# Altium PCB TempdevAmmy.PcbDoc (part 2 of 4)
Units mm, origin at the board's own origin, x right, y up, seen from the top; angles counter-clockwise.
Board outline 80.01 x 100.08 mm, 2 copper layers (Top Layer, Bottom Layer); 936 components, 613 nets, 2932 pads, 106 vias.
Unrouted connection lines stored in the file: 2115.
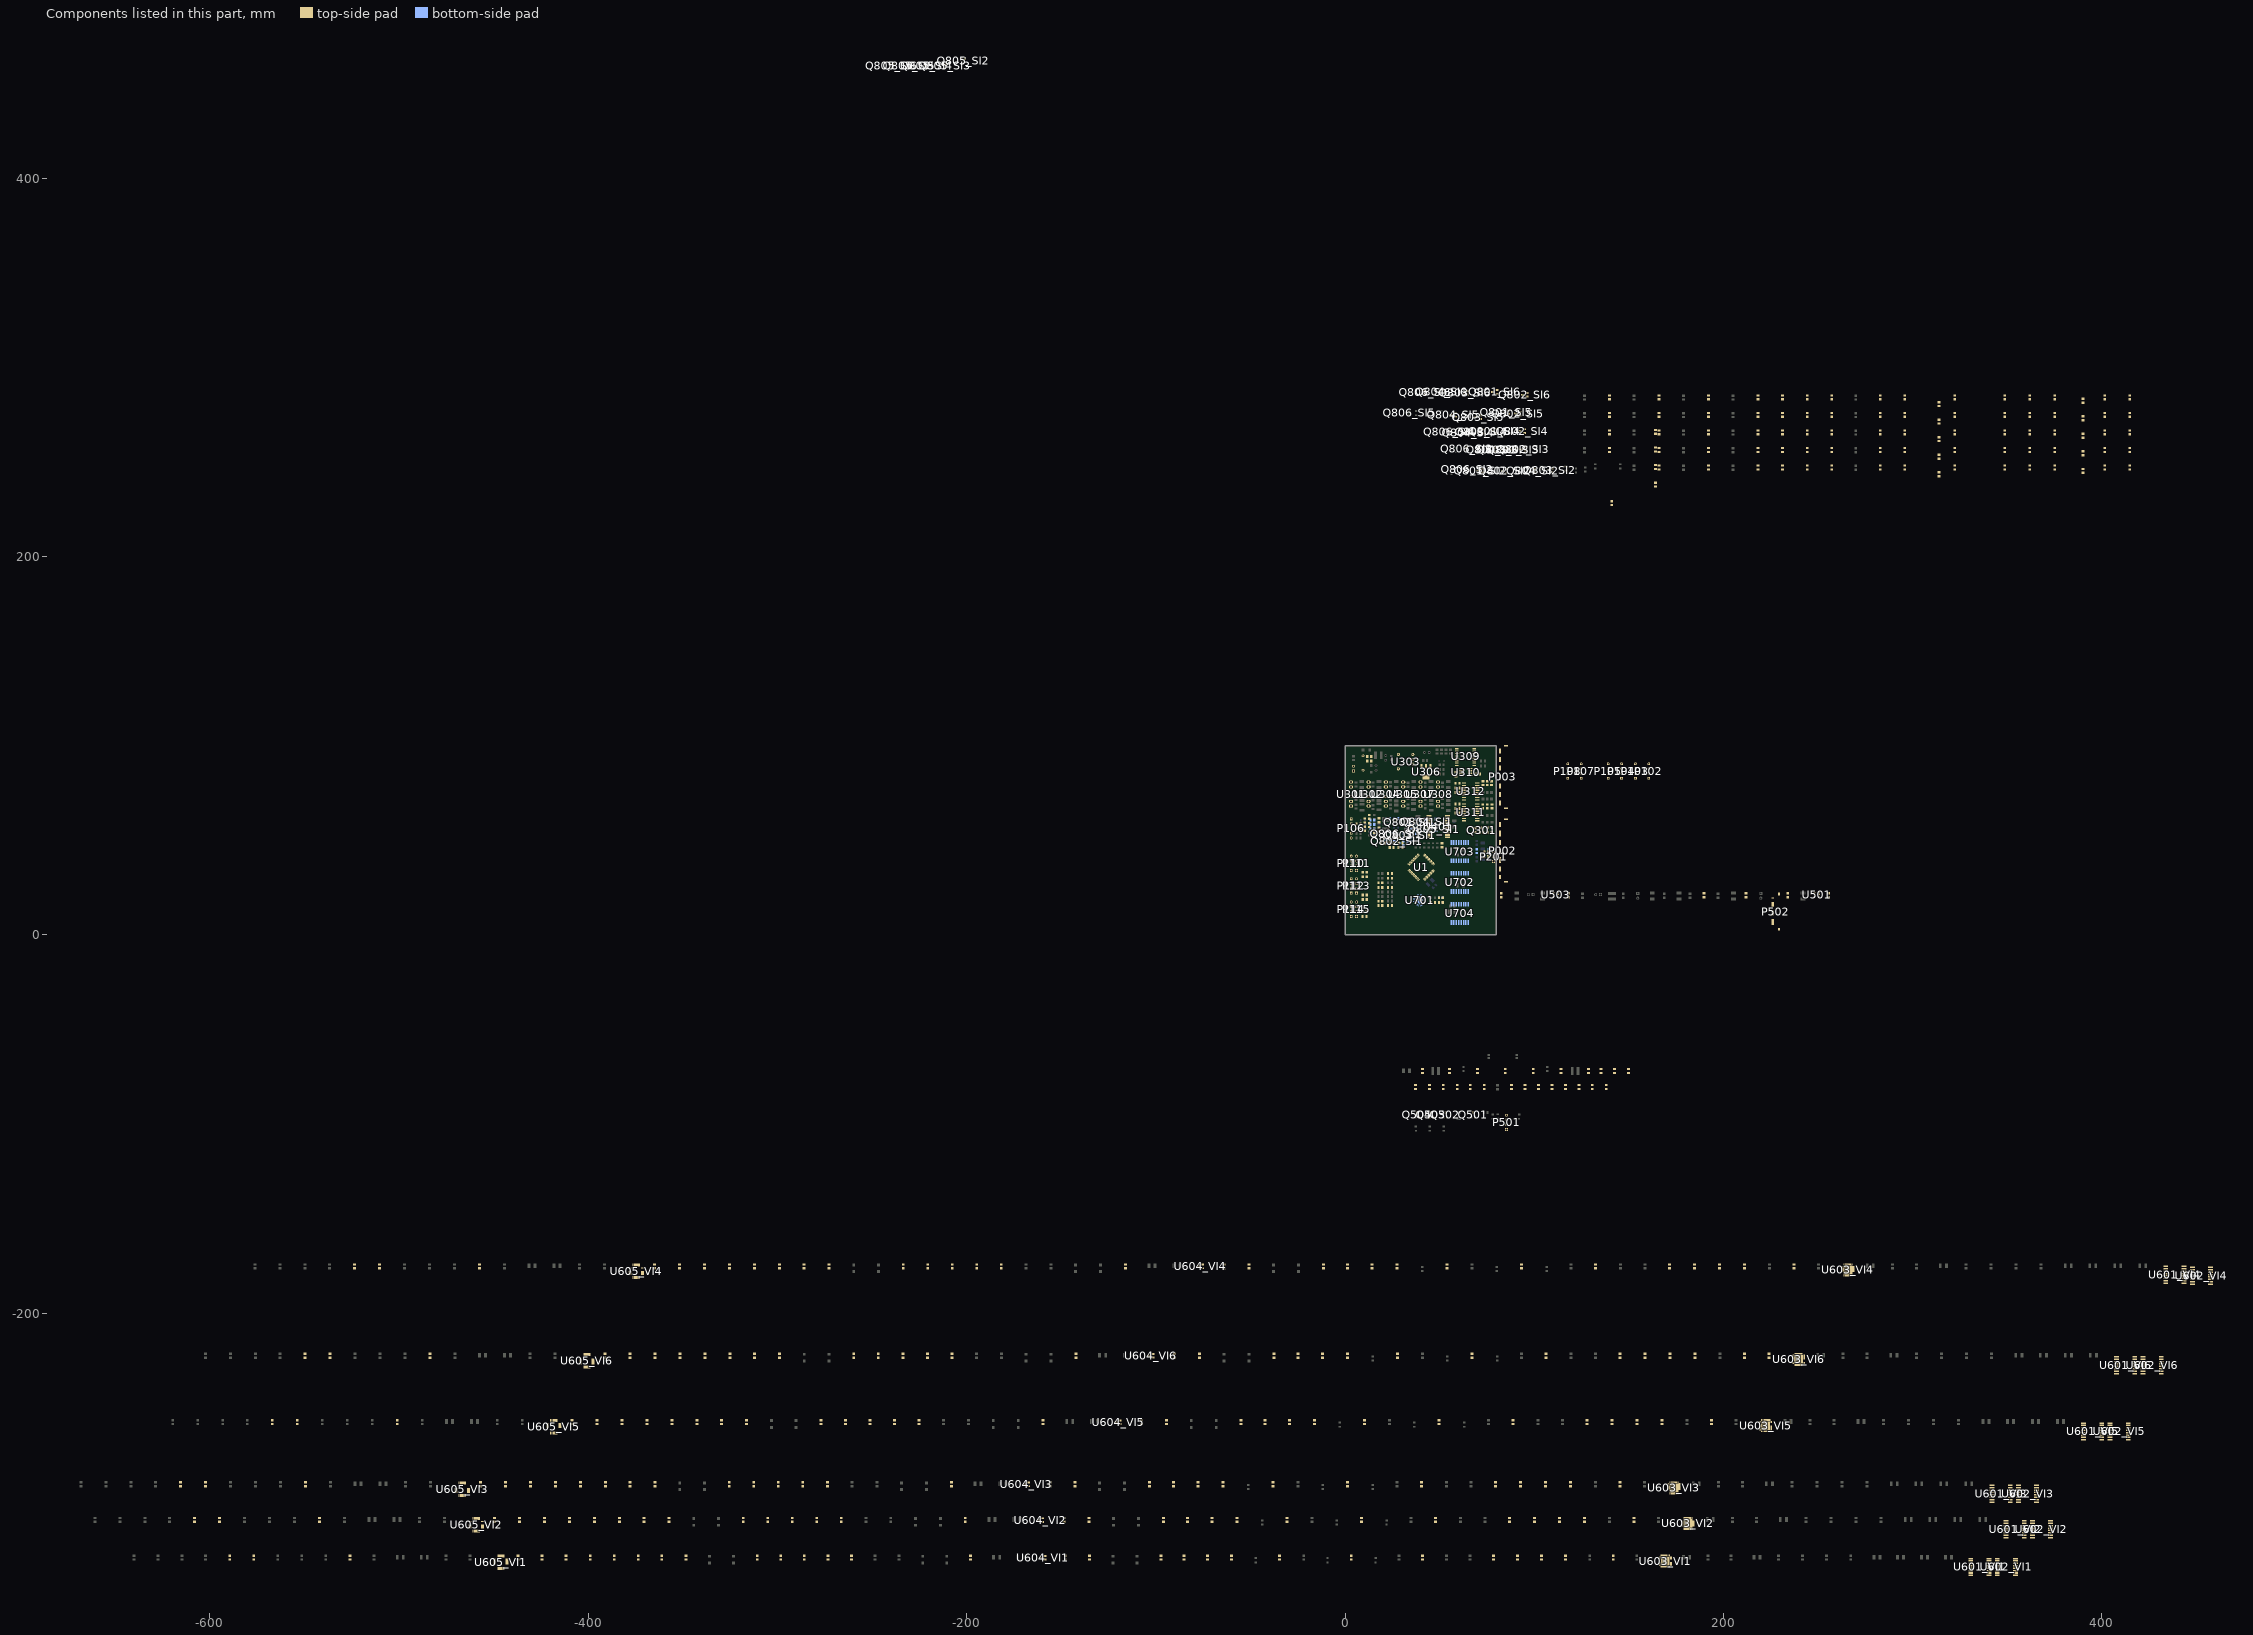
[diagram p2: the components of this part, seen from the top]

## Components (designator, comment, footprint, x,y, rotation, side; value= is the part's Value field where it differs from the comment) (continued)
L601_VI6 "VLS4012HBX-150M" 0805R#1 224.028,-223.393 r90 top value=47uH (schematic designator L601)
L602_VI1 "VLS4012HBX-150M" 0805R#1 91.186,-330.073 r90 top value=47uH (schematic designator L602)
L602_VI2 "VLS4012HBX-150M" 0805R#1 100.076,-310.134 r90 top value=47uH (schematic designator L602)
L602_VI3 "VLS4012HBX-150M" 0805R#1 92.685,-291.338 r90 top value=47uH (schematic designator L602)
L602_VI4 "VLS4012HBX-150M" 0805R#1 184.633,-176.149 r90 top value=47uH (schematic designator L602)
L602_VI5 "VLS4012HBX-150M" 0805R#1 141.097,-258.445 r90 top value=47uH (schematic designator L602)
L602_VI6 "VLS4012HBX-150M" 0805R#1 158.496,-223.393 r90 top value=47uH (schematic designator L602)
L603_VI1 "VLS4012HBX-150M" 0805R#1 -147.828,-330.073 r90 top value=47uH (schematic designator L603)
L603_VI2 "VLS4012HBX-150M" 0805R#1 -148.59,-310.134 r90 top value=47uH (schematic designator L603)
L603_VI3 "VLS4012HBX-150M" 0805R#1 -155.981,-291.338 r90 top value=47uH (schematic designator L603)
L603_VI4 "VLS4012HBX-150M" 0805R#1 -64.033,-176.149 r90 top value=47uH (schematic designator L603)
L603_VI5 "VLS4012HBX-150M" 0805R#1 -107.569,-258.445 r90 top value=47uH (schematic designator L603)
L603_VI6 "VLS4012HBX-150M" 0805R#1 -90.17,-223.393 r90 top value=47uH (schematic designator L603)
L701 "VLS4012HBX-150M" 0805r#2 69.596,44.323 r270 bottom value=47uH
L702 "VLS4012HBX-150M" 0805r#2 75.946,44.196 r270 bottom value=47uH
MOV401 "" 0805r#2 7.112,58.547 r180 top
MOV402 "" 0805r#2 7.112,56.134 r180 top
NTC701 "NTCS0805E3103JHT" 0805r#2 23.765,25.146 r180 top
P002 "FPC60" FPC60 81.788,29.845 r90 top
P003 "FPC60" FPC60 81.788,68.707 r90 top
P101 "Header 2" HDR1X2 4.445,86.614 r90 top
P102 "Header 4" HDR1X4 160.528,82.804 r90 top
P103 "Header 4" HDR1X4 153.416,82.804 r90 top
P104 "Header 4" HDR1X4 146.177,82.804 r90 top
P105 "Header 4" HDR1X4 139.065,82.804 r90 top
P106 "Header 5" HDR1X5 3.302,61.341 r270 top
P107 "Header 4" HDR1X4 124.841,82.804 r90 top
P108 "Header 4" HDR1X4 117.729,82.804 r90 top
P110 "Header 4" HDR1X4 3.302,34.036 r90 top
P111 "Header 4" HDR1X4 6.096,34.036 r90 top
P112 "Header 4" HDR1X4 3.302,22.098 r90 top
P113 "Header 4" HDR1X4 6.096,22.098 r90 top
P114 "Header 4" HDR1X4 3.302,9.779 r90 top
P115 "Header 4" HDR1X4 6.096,9.779 r90 top
P201 "Header 3" HDR1X3 78.486,38.862 r90 top
P501 "Header 4" HDR1X4 85.344,-102.87 r90 top
P502 "FPC30PIN" FPC30 226.187,5.08 r90 top
PTC401 "NTCS0805E3103JHT" 0805r#2 10.414,60.452 r90 top
PTC402 "NTCS0805E3103JHT" 0805r#2 10.414,56.134 r270 top
Q301 "MMSS8050" SOT-23(SS8050) 71.252,54.229 r0 top
Q501 "MMSS8050" SOT-23 66.802,-96.266 r0 top
Q502 "MMSS8050" SOT-23 52.07,-96.266 r0 top
Q503 "MMSS8050" SOT-23 44.704,-96.266 r0 top
Q504 "MMSS8050" SOT-23 37.338,-96.266 r0 top
Q801_SI1 "MMSS8550" SOT-23 35.052,58.293 r180 bottom (schematic designator Q801)
Q801_SI2 "MMSS8550" SOT-23 72.517,244.48 r90 top (schematic designator Q801)
Q801_SI3 "MMSS8550" SOT-23 90.043,255.524 r90 top (schematic designator Q801)
Q801_SI4 "MMSS8550" SOT-23 80.264,265.303 r90 top (schematic designator Q801)
Q801_SI5 "MMSS8550" SOT-23 86.36,275.209 r90 top (schematic designator Q801)
Q801_SI6 "MMSS8550" SOT-23 80.391,286.004 r90 top (schematic designator Q801)
Q802_SI1 "MMSS8550" SOT-23 28.575,50.546 r270 bottom (schematic designator Q802)
Q802_SI2 "MMSS8550" SOT-23 85.471,244.221 r90 top (schematic designator Q802)
Q802_SI3 "MMSS8550" SOT-23 95.377,255.651 r90 top (schematic designator Q802)
Q802_SI4 "MMSS8550" SOT-23 94.742,265.303 r90 top (schematic designator Q802)
Q802_SI5 "MMSS8550" SOT-23 92.456,274.574 r90 top (schematic designator Q802)
Q802_SI6 "MMSS8550" SOT-23 96.139,284.48 r90 top (schematic designator Q802)
Q803_SI1 "MMSS8050" SOT-23 35.052,51.562 r180 bottom (schematic designator Q803)
Q803_SI2 "MMSS8050" SOT-23 109.474,244.602 r90 top (schematic designator Q803)
Q803_SI3 "MMSS8050" SOT-23 84.709,255.524 r90 top (schematic designator Q803)
Q803_SI4 "MMSS8050" SOT-23 73.152,265.049 r90 top (schematic designator Q803)
Q803_SI5 "MMSS8050" SOT-23 71.628,272.674 r90 top (schematic designator Q803)
Q803_SI6 "MMSS8050" SOT-23 64.77,285.501 r90 top (schematic designator Q803)
Q804_SI1 "MMSS8550" SOT-23 42.291,60.96 r0 bottom (schematic designator Q804)
Q804_SI2 "MMSS8550" SOT-23 100.457,244.348 r90 top (schematic designator Q804)
Q804_SI3 "MMSS8550" SOT-23 78.867,255.402 r90 top (schematic designator Q804)
Q804_SI4 "MMSS8550" SOT-23 66.167,264.419 r90 top (schematic designator Q804)
Q804_SI5 "MMSS8550" SOT-23 58.42,273.817 r90 top (schematic designator Q804)
Q804_SI6 "MMSS8550" SOT-23 52.324,286.136 r90 top (schematic designator Q804)
Q805_SI1 "BSS138" SOT-23(SS8050) 48.006,56.769 r270 bottom (schematic designator Q805)
Q805_SI2 "BSS138" SOT-23(SS8050) -200.787,463.169 r180 top (schematic designator Q805)
Q805_SI3 "BSS138" SOT-23(SS8050) -210.693,460.375 r180 top (schematic designator Q805)
Q805_SI4 "BSS138" SOT-23(SS8050) -219.964,460.375 r180 top (schematic designator Q805)
Q805_SI5 "BSS138" SOT-23(SS8050) -229.235,460.375 r180 top (schematic designator Q805)
Q805_SI6 "BSS138" SOT-23(SS8050) -238.506,460.375 r180 top (schematic designator Q805)
Q806_SI1 "Si1024X" SOT563 27.813,54.102 r180 bottom (schematic designator Q806)
Q806_SI2 "Si1024X" SOT563 64.008,245.364 r90 top (schematic designator Q806)
Q806_SI3 "Si1024X" SOT563 63.889,256.07 r90 top (schematic designator Q806)
Q806_SI4 "Si1024X" SOT563 54.864,265.087 r90 top (schematic designator Q806)
Q806_SI5 "Si1024X" SOT563 33.401,275.171 r90 top (schematic designator Q806)
Q806_SI6 "Si1024X" SOT563 41.783,286.131 r90 top (schematic designator Q806)
R201 "RC0805JR-000KL" 0805R#2 50.673,19.685 r180 top value=0R
R202 "RC0805JR-07120RL" 0805R#2 50.689,17.145 r180 top value=120
R203 "RC0805JR-0710KL" 0805R#2 46.482,17.145 r180 top value=10K
R204 "RC0805JR-0720RL" 0805R#2 74.676,43.942 r180 top value=20
R205 "RC0805JR-0720RL" 0805R#2 74.676,41.402 r180 top value=20
R206 "RC0805JR-0710KL" 0805R#2 29.321,51.054 r0 top value=10K
R207 "RC0805JR-0710KL" 0805R#2 24.638,46.228 r180 top value=10K
R208 "RC0805JR-0710KL" 0805R#2 24.654,48.641 r180 top value=10K
R209 "RC0805JR-0710KL" 0805R#2 29.321,46.228 r0 top value=NC
R210 "RC0805JR-0710KL" 0805R#2 29.321,48.641 r0 top value=NC
R211 "RC0805JR-0710KL" 0805R#2 24.638,51.054 r180 top value=NC
R212 "RC0805JR-000KL" 0805R#2 20.05,48.641 r0 top value=0R
R213 "RC0805JR-0710KL" 0805R#2 51.181,47.387 r270 top value=10K
R301 "PNP-200KJBJ26-10R" 0805R#1 13.843,94.361 r180 top value=10
R302 "PNP-200KJBJ26-10R" 0805R#1 13.843,91.948 r180 top value=10
R303 "10D470K" 10D470K 9.525,90.865 r90 bottom
R304 "RC0805JR-071KL" 0805R#2 58.674,84.947 r90 top value=1K
R305 "RC0805JR-07470RL" 0805R#2 70.104,84.963 r0 top value=470
R306 "RC0805JR-071KL" 0805R#2 72.771,67.945 r270 top value=1K
R307 "RC0805JR-071KL" 0805R#2 75.184,67.945 r270 top value=1K
R308 "RC0805JR-071KL" 0805R#2 77.597,67.945 r270 top value=1K
R309 "RC0805JR-071KL" 0805R#2 72.898,80.264 r270 top value=1K
R310 "RC0805JR-071KL" 0805R#2 75.184,80.264 r270 top value=1K
R311 "RC0805JR-071KL" 0805R#2 77.47,80.264 r270 top value=1K
R312 "RC0805JR-074700RL" 0805R#2 59.452,69.215 r180 top value=4.7K
R313 "RC0805JR-074700RL" 0805R#2 59.452,66.802 r180 top value=4.7K
R314 "RC0805JR-0710KL" 0805R#2 68.707,55.356 r90 top value=10K
R315 "RC0805JR-074700RL" 0805R#2 59.452,64.389 r180 top value=4.7K
R316 "RC0805JR-074700RL" 0805R#2 59.436,80.137 r180 top value=4.7K
R317 "RC0805JR-071KL" 0805R#2 76.581,56.642 r0 top value=1K
R318 "RC0805JR-071KL" 0805R#2 76.581,54.229 r180 top value=1K
R319 "RC0805JR-074700RL" 0805R#2 59.452,77.724 r180 top value=4.7K
R320 "RC0805JR-074700RL" 0805R#2 59.452,75.311 r180 top value=4.7K
R401 "RC0805JR-0710KL" 0805R#2 12.827,62.373 r270 top value=10K
R402 "RC0805JR-0720RL" 0805R#2 17.907,60.579 r270 top value=20
R403 "" 0805R#2 12.827,58.039 r90 top value=3.9K
R404 "RC0805JR-0720RL" 0805R#2 17.907,55.769 r270 top value=20
R405 "RC0805JR-0710KL" 0805R#2 15.494,52.959 r90 top value=10K
R501 "0805L075" 0805R#2 41.021,-71.882 r270 top value=PTC
R502 "" 0805R#2 55.245,-71.882 r270 top value=NC
R503 "RC0805JR-0720RL" 0805R#2 69.977,-71.882 r270 top value=20
R504 "RC0805JR-0720RL" 0805R#2 84.709,-71.882 r270 top value=20
R505 "" 0805R#2 99.441,-71.882 r270 top value=1.5K
R506 "0805L075" 0805R#2 114.173,-71.882 r270 top value=PTC
R507 "RC0805JR-0710KL" 0805R#2 130.683,-80.391 r90 top value=10K
R508 "RC0805JR-0710KL" 0805R#2 138.049,-80.391 r90 top value=10K
R509 "RC0805JR-0710KL" 0805R#2 149.733,-71.882 r270 top value=10K
R510 "RC0805JR-0710KL" 0805R#2 142.367,-71.882 r270 top value=10K
R511 "RC0805JR-0710KL" 0805R#2 135.255,-71.882 r270 top value=10K
R512 "RC0805JR-0710KL" 0805R#2 128.651,-71.882 r270 top value=10K
R513 "RC0805JR-0710KL" 0805R#2 102.235,-80.391 r90 top value=10K
R514 "RC0805JR-0710KL" 0805R#2 109.347,-80.391 r90 top value=10K
R515 "RC0805JR-0710KL" 0805R#2 116.459,-80.391 r90 top value=10K
R516 "RC0805JR-0710KL" 0805R#2 123.571,-80.391 r90 top value=10K
R517 "RC0805JR-07120RL" 0805R#2 95.123,-80.391 r90 top value=120
R518 "RC0805JR-0710KL" 0805R#2 88.011,-80.391 r90 top value=10K
R519 "RC0805JR-07120RL" 0805R#2 73.533,-80.391 r90 top value=120
R520 "RC0805JR-0710KL" 0805R#2 66.167,-80.391 r90 top value=10K
R521 "RC0805JR-07120RL" 0805R#2 59.309,-80.391 r90 top value=120
R522 "RC0805JR-0710KL" 0805R#2 51.943,-80.391 r90 top value=10K
R523 "RC0805JR-07120RL" 0805R#2 44.577,-80.391 r90 top value=120
R524 "RC0805JR-0710KL" 0805R#2 37.211,-80.391 r90 top value=10K
R525 "" 0805R#2 255.524,20.955 r90 top value=150k
R526 "" 0805R#2 233.934,20.955 r90 top value=51k
R527 "RC0805JR-0720RL" 0805R#2 211.836,20.955 r90 top value=51R
R528 "RC0805JR-0720RL" 0805R#2 189.738,20.955 r90 top value=560k
R529 "" 0805R#2 118.11,20.955 r90 top value=127k
R530 "" 0805R#2 82.55,20.955 r90 top value=13.3k
R601_VI1 "RC0805JR-0710KL" 0805R#1 141.732,-330.073 r90 top value=10K (schematic designator R601)
R601_VI2 "RC0805JR-0710KL" 0805R#1 152.654,-310.134 r90 top value=10K (schematic designator R601)
R601_VI3 "RC0805JR-0710KL" 0805R#1 145.263,-291.338 r90 top value=10K (schematic designator R601)
R601_VI4 "RC0805JR-0710KL" 0805R#1 237.211,-176.149 r90 top value=10K (schematic designator R601)
R601_VI5 "RC0805JR-0710KL" 0805R#1 193.675,-258.445 r90 top value=10K (schematic designator R601)
R601_VI6 "RC0805JR-0710KL" 0805R#1 211.074,-223.393 r90 top value=10K (schematic designator R601)
R602_VI1 "RC0805JR-000KL" 0805R#1 116.586,-330.073 r90 top value=0R (schematic designator R602)
R602_VI2 "RC0805JR-000KL" 0805R#1 126.492,-310.134 r90 top value=0R (schematic designator R602)
R602_VI3 "RC0805JR-000KL" 0805R#1 119.101,-291.338 r90 top value=0R (schematic designator R602)
R602_VI4 "RC0805JR-000KL" 0805R#1 211.049,-176.149 r90 top value=0R (schematic designator R602)
R602_VI5 "RC0805JR-000KL" 0805R#1 167.513,-258.445 r90 top value=0R (schematic designator R602)
R602_VI6 "RC0805JR-000KL" 0805R#1 184.912,-223.393 r90 top value=0R (schematic designator R602)
R603_VI1 "RC0805JR-073KL" 0805R#1 103.886,-330.073 r90 top value=13.7K (schematic designator R603)
R603_VI2 "RC0805JR-073KL" 0805R#1 113.284,-310.134 r90 top value=13.7K (schematic designator R603)
R603_VI3 "RC0805JR-073KL" 0805R#1 105.893,-291.338 r90 top value=13.7K (schematic designator R603)
R603_VI4 "RC0805JR-073KL" 0805R#1 197.841,-176.149 r90 top value=13.7K (schematic designator R603)
R603_VI5 "RC0805JR-073KL" 0805R#1 154.305,-258.445 r90 top value=13.7K (schematic designator R603)
R603_VI6 "RC0805JR-073KL" 0805R#1 171.704,-223.393 r90 top value=13.7K (schematic designator R603)
R604_VI1 "RC0805JR-000KL" 0805R#1 78.486,-330.073 r90 top value=0R (schematic designator R604)
R604_VI2 "RC0805JR-000KL" 0805R#1 86.868,-310.134 r90 top value=0R (schematic designator R604)
R604_VI3 "RC0805JR-000KL" 0805R#1 79.477,-291.338 r90 top value=0R (schematic designator R604)
R604_VI4 "RC0805JR-000KL" 0805R#1 171.425,-176.149 r90 top value=0R (schematic designator R604)
R604_VI5 "RC0805JR-000KL" 0805R#1 127.889,-258.445 r90 top value=0R (schematic designator R604)
R604_VI6 "RC0805JR-000KL" 0805R#1 145.288,-223.393 r90 top value=0R (schematic designator R604)
R605_VI1 "RC0805JR-000KL" 0805R#1 40.894,-330.073 r90 top value=0R (schematic designator R605)
R605_VI2 "RC0805JR-000KL" 0805R#1 47.752,-310.134 r90 top value=0R (schematic designator R605)
R605_VI3 "RC0805JR-000KL" 0805R#1 40.361,-291.338 r90 top value=0R (schematic designator R605)
R605_VI4 "RC0805JR-000KL" 0805R#1 132.309,-176.149 r90 top value=0R (schematic designator R605)
R605_VI5 "RC0805JR-000KL" 0805R#1 88.773,-258.445 r90 top value=0R (schematic designator R605)
R605_VI6 "RC0805JR-000KL" 0805R#1 106.172,-223.393 r90 top value=0R (schematic designator R605)
R606_VI1 "" 0805R#1 3.302,-330.073 r90 top value=10R (schematic designator R606)
R606_VI2 "" 0805R#1 8.636,-310.134 r90 top value=10R (schematic designator R606)
R606_VI3 "" 0805R#1 1.245,-291.338 r90 top value=10R (schematic designator R606)
R606_VI4 "" 0805R#1 93.193,-176.149 r90 top value=10R (schematic designator R606)
R606_VI5 "" 0805R#1 49.657,-258.445 r90 top value=10R (schematic designator R606)
R606_VI6 "" 0805R#1 67.056,-223.393 r90 top value=10R (schematic designator R606)
R607_VI1 "RC0805JR-074700RL" 0805R#1 -34.544,-330.073 r90 top value=4.7K (schematic designator R607)
R607_VI2 "RC0805JR-074700RL" 0805R#1 -30.734,-310.134 r90 top value=4.7K (schematic designator R607)
R607_VI3 "RC0805JR-074700RL" 0805R#1 -38.125,-291.338 r90 top value=4.7K (schematic designator R607)
R607_VI4 "RC0805JR-074700RL" 0805R#1 53.823,-176.149 r90 top value=4.7K (schematic designator R607)
R607_VI5 "RC0805JR-074700RL" 0805R#1 10.287,-258.445 r90 top value=4.7K (schematic designator R607)
R607_VI6 "RC0805JR-074700RL" 0805R#1 27.686,-223.393 r90 top value=4.7K (schematic designator R607)
R608_VI1 "RC0805JR-071KL" 0805R#1 -59.944,-330.073 r90 top value=1K (schematic designator R608)
R608_VI2 "RC0805JR-071KL" 0805R#1 -57.15,-310.134 r90 top value=1K (schematic designator R608)
R608_VI3 "RC0805JR-071KL" 0805R#1 -64.541,-291.338 r90 top value=1K (schematic designator R608)
R608_VI4 "RC0805JR-071KL" 0805R#1 27.407,-176.149 r90 top value=1K (schematic designator R608)
R608_VI5 "RC0805JR-071KL" 0805R#1 -16.129,-258.445 r90 top value=1K (schematic designator R608)
R608_VI6 "RC0805JR-071KL" 0805R#1 1.27,-223.393 r90 top value=1K (schematic designator R608)
R609_VI1 "RC0805JR-071KL" 0805R#1 -72.644,-330.073 r90 top value=1K (schematic designator R609)
R609_VI2 "RC0805JR-071KL" 0805R#1 -70.358,-310.134 r90 top value=1K (schematic designator R609)
R609_VI3 "RC0805JR-071KL" 0805R#1 -77.749,-291.338 r90 top value=1K (schematic designator R609)
R609_VI4 "RC0805JR-071KL" 0805R#1 14.199,-176.149 r90 top value=1K (schematic designator R609)
R609_VI5 "RC0805JR-071KL" 0805R#1 -29.337,-258.445 r90 top value=1K (schematic designator R609)
R609_VI6 "RC0805JR-071KL" 0805R#1 -11.938,-223.393 r90 top value=1K (schematic designator R609)
R610_VI1 "RC0805JR-071KL" 0805R#1 -85.09,-330.073 r90 top value=1K (schematic designator R610)
R610_VI2 "RC0805JR-071KL" 0805R#1 -83.312,-310.134 r90 top value=1K (schematic designator R610)
R610_VI3 "RC0805JR-071KL" 0805R#1 -90.703,-291.338 r90 top value=1K (schematic designator R610)
R610_VI4 "RC0805JR-071KL" 0805R#1 1.245,-176.149 r90 top value=1K (schematic designator R610)
R610_VI5 "RC0805JR-071KL" 0805R#1 -42.291,-258.445 r90 top value=1K (schematic designator R610)
R610_VI6 "RC0805JR-071KL" 0805R#1 -24.892,-223.393 r90 top value=1K (schematic designator R610)
R611_VI1 "RC0805JR-071KL" 0805R#1 -97.282,-330.073 r90 top value=1K (schematic designator R611)
R611_VI2 "RC0805JR-071KL" 0805R#1 -96.012,-310.134 r90 top value=1K (schematic designator R611)
R611_VI3 "RC0805JR-071KL" 0805R#1 -103.403,-291.338 r90 top value=1K (schematic designator R611)
R611_VI4 "RC0805JR-071KL" 0805R#1 -11.455,-176.149 r90 top value=1K (schematic designator R611)
R611_VI5 "RC0805JR-071KL" 0805R#1 -54.991,-258.445 r90 top value=1K (schematic designator R611)
R611_VI6 "RC0805JR-071KL" 0805R#1 -37.592,-223.393 r90 top value=1K (schematic designator R611)
R612_VI1 "RC0805JR-073KL" 0805R#1 -135.128,-330.073 r90 top value=3K (schematic designator R612)
R612_VI2 "RC0805JR-073KL" 0805R#1 -135.382,-310.134 r90 top value=3K (schematic designator R612)
R612_VI3 "RC0805JR-073KL" 0805R#1 -142.773,-291.338 r90 top value=3K (schematic designator R612)
R612_VI4 "RC0805JR-073KL" 0805R#1 -50.825,-176.149 r90 top value=3K (schematic designator R612)
R612_VI5 "RC0805JR-073KL" 0805R#1 -94.361,-258.445 r90 top value=3K (schematic designator R612)
R612_VI6 "RC0805JR-073KL" 0805R#1 -76.962,-223.393 r90 top value=3K (schematic designator R612)
R613_VI1 "RC0805JR-000KL" 0805R#1 -197.866,-330.073 r90 top value=0R (schematic designator R613)
R613_VI2 "RC0805JR-000KL" 0805R#1 -200.66,-310.134 r90 top value=0R (schematic designator R613)
R613_VI3 "RC0805JR-000KL" 0805R#1 -208.051,-291.338 r90 top value=0R (schematic designator R613)
R613_VI4 "RC0805JR-000KL" 0805R#1 -116.103,-176.149 r90 top value=0R (schematic designator R613)
R613_VI5 "RC0805JR-000KL" 0805R#1 -159.639,-258.445 r90 top value=0R (schematic designator R613)
R613_VI6 "RC0805JR-000KL" 0805R#1 -142.24,-223.393 r90 top value=0R (schematic designator R613)
R614_VI1 "RC0805JR-000KL" 0805R#1 -260.858,-330.073 r90 top value=0R (schematic designator R614)
R614_VI2 "RC0805JR-000KL" 0805R#1 -266.192,-310.134 r90 top value=0R (schematic designator R614)
R614_VI3 "RC0805JR-000KL" 0805R#1 -273.583,-291.338 r90 top value=0R (schematic designator R614)
R614_VI4 "RC0805JR-000KL" 0805R#1 -181.635,-176.149 r90 top value=0R (schematic designator R614)
R614_VI5 "RC0805JR-000KL" 0805R#1 -225.171,-258.445 r90 top value=0R (schematic designator R614)
R614_VI6 "RC0805JR-000KL" 0805R#1 -207.772,-223.393 r90 top value=0R (schematic designator R614)
R615_VI1 "RC0805JR-073KL" 0805R#1 -285.75,-330.073 r90 top value=3K (schematic designator R615)
R615_VI2 "RC0805JR-073KL" 0805R#1 -292.1,-310.134 r90 top value=3K (schematic designator R615)
R615_VI3 "RC0805JR-073KL" 0805R#1 -299.491,-291.338 r90 top value=3K (schematic designator R615)
R615_VI4 "RC0805JR-073KL" 0805R#1 -207.543,-176.149 r90 top value=3K (schematic designator R615)
R615_VI5 "RC0805JR-073KL" 0805R#1 -251.079,-258.445 r90 top value=3K (schematic designator R615)
R615_VI6 "RC0805JR-073KL" 0805R#1 -233.68,-223.393 r90 top value=3K (schematic designator R615)
R616_VI1 "RC0805JR-0710KL" 0805R#1 -273.304,-330.073 r90 top value=10K (schematic designator R616)
R616_VI2 "RC0805JR-0710KL" 0805R#1 -279.146,-310.134 r90 top value=10K (schematic designator R616)
R616_VI3 "RC0805JR-0710KL" 0805R#1 -286.537,-291.338 r90 top value=10K (schematic designator R616)
R616_VI4 "RC0805JR-0710KL" 0805R#1 -194.589,-176.149 r90 top value=10K (schematic designator R616)
R616_VI5 "RC0805JR-0710KL" 0805R#1 -238.125,-258.445 r90 top value=10K (schematic designator R616)
R616_VI6 "RC0805JR-0710KL" 0805R#1 -220.726,-223.393 r90 top value=10K (schematic designator R616)
R617_VI1 "RC0805JR-000KL" 0805R#1 -298.196,-330.073 r90 top value=0R (schematic designator R617)
R617_VI2 "RC0805JR-000KL" 0805R#1 -305.054,-310.134 r90 top value=0R (schematic designator R617)
R617_VI3 "RC0805JR-000KL" 0805R#1 -312.445,-291.338 r90 top value=0R (schematic designator R617)
R617_VI4 "RC0805JR-000KL" 0805R#1 -220.497,-176.149 r90 top value=0R (schematic designator R617)
R617_VI5 "RC0805JR-000KL" 0805R#1 -264.033,-258.445 r90 top value=0R (schematic designator R617)
R617_VI6 "RC0805JR-000KL" 0805R#1 -246.634,-223.393 r90 top value=0R (schematic designator R617)
R618_VI1 "RC0805JR-0710KL" 0805R#1 -310.642,-330.073 r90 top value=10K (schematic designator R618)
R618_VI2 "RC0805JR-0710KL" 0805R#1 -318.008,-310.134 r90 top value=10K (schematic designator R618)
R618_VI3 "RC0805JR-0710KL" 0805R#1 -325.399,-291.338 r90 top value=10K (schematic designator R618)
R618_VI4 "RC0805JR-0710KL" 0805R#1 -233.451,-176.149 r90 top value=10K (schematic designator R618)
R618_VI5 "RC0805JR-0710KL" 0805R#1 -276.987,-258.445 r90 top value=10K (schematic designator R618)
R618_VI6 "RC0805JR-0710KL" 0805R#1 -259.588,-223.393 r90 top value=10K (schematic designator R618)
R619_VI1 "RC0805JR-000KL" 0805R#1 -348.361,-330.073 r90 top value=0R (schematic designator R619)
R619_VI2 "RC0805JR-000KL" 0805R#1 -357.251,-310.134 r90 top value=0R (schematic designator R619)
R619_VI3 "RC0805JR-000KL" 0805R#1 -364.642,-291.338 r90 top value=0R (schematic designator R619)
R619_VI4 "RC0805JR-000KL" 0805R#1 -272.694,-176.149 r90 top value=0R (schematic designator R619)
R619_VI5 "RC0805JR-000KL" 0805R#1 -316.23,-258.445 r90 top value=0R (schematic designator R619)
R619_VI6 "RC0805JR-000KL" 0805R#1 -298.831,-223.393 r90 top value=0R (schematic designator R619)
R620_VI1 "RC0805JR-0710KL" 0805R#1 -361.061,-330.073 r90 top value=10K (schematic designator R620)
R620_VI2 "RC0805JR-0710KL" 0805R#1 -370.459,-310.134 r90 top value=10K (schematic designator R620)
R620_VI3 "RC0805JR-0710KL" 0805R#1 -377.85,-291.338 r90 top value=10K (schematic designator R620)
R620_VI4 "RC0805JR-0710KL" 0805R#1 -285.902,-176.149 r90 top value=10K (schematic designator R620)
R620_VI5 "RC0805JR-0710KL" 0805R#1 -329.438,-258.445 r90 top value=10K (schematic designator R620)
R620_VI6 "RC0805JR-0710KL" 0805R#1 -312.039,-223.393 r90 top value=10K (schematic designator R620)
R621_VI1 "RC0805JR-000KL" 0805R#1 -373.507,-330.073 r90 top value=0R (schematic designator R621)
R621_VI2 "RC0805JR-000KL" 0805R#1 -383.413,-310.134 r90 top value=0R (schematic designator R621)
R621_VI3 "RC0805JR-000KL" 0805R#1 -390.804,-291.338 r90 top value=0R (schematic designator R621)
R621_VI4 "RC0805JR-000KL" 0805R#1 -298.856,-176.149 r90 top value=0R (schematic designator R621)
R621_VI5 "RC0805JR-000KL" 0805R#1 -342.392,-258.445 r90 top value=0R (schematic designator R621)
R621_VI6 "RC0805JR-000KL" 0805R#1 -324.993,-223.393 r90 top value=0R (schematic designator R621)
R622_VI1 "RC0805JR-000KL" 0805R#1 -386.207,-330.073 r90 top value=0R (schematic designator R622)
R622_VI2 "RC0805JR-000KL" 0805R#1 -396.621,-310.134 r90 top value=0R (schematic designator R622)
R622_VI3 "RC0805JR-000KL" 0805R#1 -404.012,-291.338 r90 top value=0R (schematic designator R622)
R622_VI4 "RC0805JR-000KL" 0805R#1 -312.064,-176.149 r90 top value=0R (schematic designator R622)
R622_VI5 "RC0805JR-000KL" 0805R#1 -355.6,-258.445 r90 top value=0R (schematic designator R622)
R622_VI6 "RC0805JR-000KL" 0805R#1 -338.201,-223.393 r90 top value=0R (schematic designator R622)
R623_VI1 "RC0805JR-0710KL" 0805R#1 -398.907,-330.073 r90 top value=10K (schematic designator R623)
R623_VI2 "RC0805JR-0710KL" 0805R#1 -409.829,-310.134 r90 top value=10K (schematic designator R623)
R623_VI3 "RC0805JR-0710KL" 0805R#1 -417.22,-291.338 r90 top value=10K (schematic designator R623)
R623_VI4 "RC0805JR-0710KL" 0805R#1 -325.272,-176.149 r90 top value=10K (schematic designator R623)
R623_VI5 "RC0805JR-0710KL" 0805R#1 -368.808,-258.445 r90 top value=10K (schematic designator R623)
R623_VI6 "RC0805JR-0710KL" 0805R#1 -351.409,-223.393 r90 top value=10K (schematic designator R623)
R624_VI1 "RC0805JR-0710KL" 0805R#1 -411.607,-330.073 r90 top value=10K (schematic designator R624)
R624_VI2 "RC0805JR-0710KL" 0805R#1 -423.037,-310.134 r90 top value=10K (schematic designator R624)
R624_VI3 "RC0805JR-0710KL" 0805R#1 -430.428,-291.338 r90 top value=10K (schematic designator R624)
R624_VI4 "RC0805JR-0710KL" 0805R#1 -338.48,-176.149 r90 top value=10K (schematic designator R624)
R624_VI5 "RC0805JR-0710KL" 0805R#1 -382.016,-258.445 r90 top value=10K (schematic designator R624)
R624_VI6 "RC0805JR-0710KL" 0805R#1 -364.617,-223.393 r90 top value=10K (schematic designator R624)
R625_VI1 "RC0805JR-000KL" 0805R#1 -424.307,-330.073 r90 top value=0R (schematic designator R625)
R625_VI2 "RC0805JR-000KL" 0805R#1 -436.245,-310.134 r90 top value=0R (schematic designator R625)
R625_VI3 "RC0805JR-000KL" 0805R#1 -443.636,-291.338 r90 top value=0R (schematic designator R625)
R625_VI4 "RC0805JR-000KL" 0805R#1 -351.688,-176.149 r90 top value=0R (schematic designator R625)
R625_VI5 "RC0805JR-000KL" 0805R#1 -395.224,-258.445 r90 top value=0R (schematic designator R625)
R625_VI6 "RC0805JR-000KL" 0805R#1 -377.825,-223.393 r90 top value=0R (schematic designator R625)
R626_VI1 "RC0805JR-0710KL" 0805R#1 -437.007,-330.073 r90 top value=10K (schematic designator R626)
R626_VI2 "RC0805JR-0710KL" 0805R#1 -449.453,-310.134 r90 top value=10K (schematic designator R626)
R626_VI3 "RC0805JR-0710KL" 0805R#1 -456.844,-291.338 r90 top value=10K (schematic designator R626)
R626_VI4 "RC0805JR-0710KL" 0805R#1 -364.896,-176.149 r90 top value=10K (schematic designator R626)
R626_VI5 "RC0805JR-0710KL" 0805R#1 -408.432,-258.445 r90 top value=10K (schematic designator R626)
R626_VI6 "RC0805JR-0710KL" 0805R#1 -391.033,-223.393 r90 top value=10K (schematic designator R626)
R627_VI1 "" 0805R#1 -525.907,-330.073 r90 top value=150K (schematic designator R627)
R627_VI2 "" 0805R#1 -541.909,-310.134 r90 top value=150K (schematic designator R627)
R627_VI3 "" 0805R#1 -549.3,-291.338 r90 top value=150K (schematic designator R627)
R627_VI4 "" 0805R#1 -457.352,-176.149 r90 top value=150K (schematic designator R627)
R627_VI5 "" 0805R#1 -500.888,-258.445 r90 top value=150K (schematic designator R627)
R627_VI6 "" 0805R#1 -483.489,-223.393 r90 top value=150K (schematic designator R627)
R628_VI1 "" 0805R#1 -576.707,-330.073 r90 top value=1.2M (schematic designator R628)
R628_VI2 "" 0805R#1 -594.741,-310.134 r90 top value=1.2M (schematic designator R628)
R628_VI3 "" 0805R#1 -602.132,-291.338 r90 top value=1.2M (schematic designator R628)
R628_VI4 "" 0805R#1 -510.184,-176.149 r90 top value=1.2M (schematic designator R628)
R628_VI5 "" 0805R#1 -553.72,-258.445 r90 top value=1.2M (schematic designator R628)
R628_VI6 "" 0805R#1 -536.321,-223.393 r90 top value=1.2M (schematic designator R628)
R629_VI1 "" 0805R#1 -589.407,-330.073 r90 top value=1.2M (schematic designator R629)
R629_VI2 "" 0805R#1 -607.949,-310.134 r90 top value=1.2M (schematic designator R629)
R629_VI3 "" 0805R#1 -615.34,-291.338 r90 top value=1.2M (schematic designator R629)
R629_VI4 "" 0805R#1 -523.392,-176.149 r90 top value=1.2M (schematic designator R629)
R629_VI5 "" 0805R#1 -566.928,-258.445 r90 top value=1.2M (schematic designator R629)
R629_VI6 "" 0805R#1 -549.529,-223.393 r90 top value=1.2M (schematic designator R629)
R701 "RC0805JR-075600RL" 0805R#2 18.669,25.146 r0 top value=5.6K
R702 "RC0805JR-071KL" 0805R#2 18.653,27.559 r0 top value=1K
R703 "RC0805JR-071KL" 0805R#2 23.733,32.512 r0 top value=1K
R704 "RC0805JR-07470RL" 0805R#2 23.733,29.972 r0 top value=470
R705 "RC0805JR-000KL" 0805R#2 50.657,19.685 r0 bottom value=0R
R706 "RC0805JR-071KL" 0805R#2 23.749,15.494 r180 top value=1K
R707 "RC0805JR-075600RL" 0805R#2 18.653,15.494 r0 top value=5.6K
R708 "RC0805JR-071KL" 0805R#2 18.669,17.78 r180 top value=1K
R801_SI1 "RC0805JR-0710KL" 0805R#2 30.734,48.514 r270 bottom value=10K (schematic designator R801)
R801_SI2 "RC0805JR-0710KL" 0805R#2 414.655,247.015 r90 top value=10K (schematic designator R801)
R801_SI3 "RC0805JR-0710KL" 0805R#2 414.655,256.286 r90 top value=10K (schematic designator R801)
R801_SI4 "RC0805JR-0710KL" 0805R#2 414.655,265.557 r90 top value=10K (schematic designator R801)
R801_SI5 "RC0805JR-0710KL" 0805R#2 414.655,274.828 r90 top value=10K (schematic designator R801)
R801_SI6 "RC0805JR-0710KL" 0805R#2 414.655,284.099 r90 top value=10K (schematic designator R801)
R802_SI1 "RC0805JR-0710KL" 0805R#2 34.036,56.134 r180 bottom value=10K (schematic designator R802)
R802_SI2 "RC0805JR-0710KL" 0805R#2 401.447,247.015 r90 top value=10K (schematic designator R802)
R802_SI3 "RC0805JR-0710KL" 0805R#2 401.447,256.286 r90 top value=10K (schematic designator R802)
R802_SI4 "RC0805JR-0710KL" 0805R#2 401.447,265.557 r90 top value=10K (schematic designator R802)
R802_SI5 "RC0805JR-0710KL" 0805R#2 401.447,274.828 r90 top value=10K (schematic designator R802)
R802_SI6 "RC0805JR-0710KL" 0805R#2 401.447,284.099 r90 top value=10K (schematic designator R802)
R803_SI1 "RC0805JR-0710KL" 0805R#2 38.608,56.134 r0 bottom value=10K (schematic designator R803)
R803_SI2 "RC0805JR-0710KL" 0805R#2 390.017,245.237 r90 top value=10K (schematic designator R803)
R803_SI3 "RC0805JR-0710KL" 0805R#2 390.017,254.508 r90 top value=10K (schematic designator R803)
R803_SI4 "RC0805JR-0710KL" 0805R#2 390.017,263.779 r90 top value=10K (schematic designator R803)
R803_SI5 "RC0805JR-0710KL" 0805R#2 390.017,273.05 r90 top value=10K (schematic designator R803)
R803_SI6 "RC0805JR-0710KL" 0805R#2 390.017,282.321 r90 top value=10K (schematic designator R803)
R804_SI1 "RC0805JR-0710KL" 0805R#2 30.734,52.689 r90 bottom value=10K (schematic designator R804)
R804_SI2 "RC0805JR-0710KL" 0805R#2 375.031,247.015 r90 top value=10K (schematic designator R804)
R804_SI3 "RC0805JR-0710KL" 0805R#2 375.031,256.286 r90 top value=10K (schematic designator R804)
R804_SI4 "RC0805JR-0710KL" 0805R#2 375.031,265.557 r90 top value=10K (schematic designator R804)
R804_SI5 "RC0805JR-0710KL" 0805R#2 375.031,274.828 r90 top value=10K (schematic designator R804)
R804_SI6 "RC0805JR-0710KL" 0805R#2 375.031,284.099 r90 top value=10K (schematic designator R804)
R805_SI1 "RC0805JR-0710KL" 0805R#2 38.592,53.467 r0 bottom value=10K (schematic designator R805)
R805_SI2 "RC0805JR-0710KL" 0805R#2 361.823,247.015 r90 top value=10K (schematic designator R805)
R805_SI3 "RC0805JR-0710KL" 0805R#2 361.823,256.286 r90 top value=10K (schematic designator R805)
R805_SI4 "RC0805JR-0710KL" 0805R#2 361.823,265.557 r90 top value=10K (schematic designator R805)
R805_SI5 "RC0805JR-0710KL" 0805R#2 361.823,274.828 r90 top value=10K (schematic designator R805)
R805_SI6 "RC0805JR-0710KL" 0805R#2 361.823,284.099 r90 top value=10K (schematic designator R805)
R806_SI1 "RC0805JR-0710KL" 0805R#2 34.036,49.403 r180 bottom value=10K (schematic designator R806)
R806_SI2 "RC0805JR-0710KL" 0805R#2 348.615,247.015 r90 top value=10K (schematic designator R806)
R806_SI3 "RC0805JR-0710KL" 0805R#2 348.615,256.286 r90 top value=10K (schematic designator R806)
R806_SI4 "RC0805JR-0710KL" 0805R#2 348.615,265.557 r90 top value=10K (schematic designator R806)
R806_SI5 "RC0805JR-0710KL" 0805R#2 348.615,274.828 r90 top value=10K (schematic designator R806)
R806_SI6 "RC0805JR-0710KL" 0805R#2 348.615,284.099 r90 top value=10K (schematic designator R806)
R807_SI1 "RC0805JR-0720RL" 0805R#2 46.99,58.801 r0 bottom value=20 (schematic designator R807)
R807_SI2 "RC0805JR-0720RL" 0805R#2 322.199,247.015 r90 top value=20 (schematic designator R807)
R807_SI3 "RC0805JR-0720RL" 0805R#2 322.199,256.286 r90 top value=20 (schematic designator R807)
R807_SI4 "RC0805JR-0720RL" 0805R#2 322.199,265.557 r90 top value=20 (schematic designator R807)
R807_SI5 "RC0805JR-0720RL" 0805R#2 322.199,274.828 r90 top value=20 (schematic designator R807)
R807_SI6 "RC0805JR-0720RL" 0805R#2 322.199,284.099 r90 top value=20 (schematic designator R807)
R808_SI1 "RC0805JR-0710KL" 0805R#2 38.608,58.547 r0 bottom value=10K (schematic designator R808)
R808_SI2 "RC0805JR-0710KL" 0805R#2 313.944,243.459 r90 top value=10K (schematic designator R808)
R808_SI3 "RC0805JR-0710KL" 0805R#2 313.944,252.73 r90 top value=10K (schematic designator R808)
R808_SI4 "RC0805JR-0710KL" 0805R#2 313.944,262.001 r90 top value=10K (schematic designator R808)
R808_SI5 "RC0805JR-0710KL" 0805R#2 313.944,271.272 r90 top value=10K (schematic designator R808)
R808_SI6 "RC0805JR-0710KL" 0805R#2 313.944,280.543 r90 top value=10K (schematic designator R808)
R809_SI1 "RC0805JR-0710KL" 0805R#2 46.99,61.214 r180 bottom value=10K (schematic designator R809)
R809_SI2 "RC0805JR-0710KL" 0805R#2 295.783,247.015 r90 top value=10K (schematic designator R809)
R809_SI3 "RC0805JR-0710KL" 0805R#2 295.783,256.286 r90 top value=10K (schematic designator R809)
R809_SI4 "RC0805JR-0710KL" 0805R#2 295.783,265.557 r90 top value=10K (schematic designator R809)
R809_SI5 "RC0805JR-0710KL" 0805R#2 295.783,274.828 r90 top value=10K (schematic designator R809)
R809_SI6 "RC0805JR-0710KL" 0805R#2 295.783,284.099 r90 top value=10K (schematic designator R809)
R810_SI1 "RC0805JR-0710KL" 0805R#2 38.608,60.96 r0 bottom value=10K (schematic designator R810)
R810_SI2 "RC0805JR-0710KL" 0805R#2 282.829,247.015 r90 top value=10K (schematic designator R810)
R810_SI3 "RC0805JR-0710KL" 0805R#2 282.829,256.286 r90 top value=10K (schematic designator R810)
R810_SI4 "RC0805JR-0710KL" 0805R#2 282.829,265.557 r90 top value=10K (schematic designator R810)
R810_SI5 "RC0805JR-0710KL" 0805R#2 282.829,274.828 r90 top value=10K (schematic designator R810)
R810_SI6 "RC0805JR-0710KL" 0805R#2 282.829,284.099 r90 top value=10K (schematic designator R810)
R811_SI1 "RC0805JR-0710KL" 0805R#2 22.717,61.468 r0 bottom value=10K (schematic designator R811)
R811_SI2 "RC0805JR-0710KL" 0805R#2 257.175,247.015 r90 top value=10K (schematic designator R811)
R811_SI3 "RC0805JR-0710KL" 0805R#2 257.175,256.286 r90 top value=10K (schematic designator R811)
R811_SI4 "RC0805JR-0710KL" 0805R#2 257.175,265.557 r90 top value=10K (schematic designator R811)
R811_SI5 "RC0805JR-0710KL" 0805R#2 257.175,274.828 r90 top value=10K (schematic designator R811)
R811_SI6 "RC0805JR-0710KL" 0805R#2 257.175,284.099 r90 top value=10K (schematic designator R811)
R812_SI1 "RC0805JR-0720RL" 0805R#2 27.051,61.468 r180 bottom value=20 (schematic designator R812)
R812_SI2 "RC0805JR-0720RL" 0805R#2 244.221,247.015 r90 top value=20 (schematic designator R812)
R812_SI3 "RC0805JR-0720RL" 0805R#2 244.221,256.286 r90 top value=20 (schematic designator R812)
R812_SI4 "RC0805JR-0720RL" 0805R#2 244.221,265.557 r90 top value=20 (schematic designator R812)
R812_SI5 "RC0805JR-0720RL" 0805R#2 244.221,274.828 r90 top value=20 (schematic designator R812)
R812_SI6 "RC0805JR-0720RL" 0805R#2 244.221,284.099 r90 top value=20 (schematic designator R812)
R813_SI1 "RC0805JR-0720RL" 0805R#2 23.876,49.53 r90 bottom value=20 (schematic designator R813)
R813_SI2 "RC0805JR-0720RL" 0805R#2 231.267,247.015 r90 top value=20 (schematic designator R813)
R813_SI3 "RC0805JR-0720RL" 0805R#2 231.267,256.286 r90 top value=20 (schematic designator R813)
R813_SI4 "RC0805JR-0720RL" 0805R#2 231.267,265.557 r90 top value=20 (schematic designator R813)
R813_SI5 "RC0805JR-0720RL" 0805R#2 231.267,274.828 r90 top value=20 (schematic designator R813)
R813_SI6 "RC0805JR-0720RL" 0805R#2 231.267,284.099 r90 top value=20 (schematic designator R813)
R814_SI1 "RC0805JR-0710KL" 0805R#2 21.463,49.53 r90 bottom value=10K (schematic designator R814)
R814_SI2 "RC0805JR-0710KL" 0805R#2 218.313,247.015 r90 top value=10K (schematic designator R814)
R814_SI3 "RC0805JR-0710KL" 0805R#2 218.313,256.286 r90 top value=10K (schematic designator R814)
R814_SI4 "RC0805JR-0710KL" 0805R#2 218.313,265.557 r90 top value=10K (schematic designator R814)
R814_SI5 "RC0805JR-0710KL" 0805R#2 218.313,274.828 r90 top value=10K (schematic designator R814)
R814_SI6 "RC0805JR-0710KL" 0805R#2 218.313,284.099 r90 top value=10K (schematic designator R814)
R815_SI1 "RC0805JR-07100RL" 0805R#2 14.478,53.721 r0 bottom value=100R (schematic designator R815)
R815_SI2 "RC0805JR-07100RL" 0805R#2 192.151,247.015 r90 top value=100R (schematic designator R815)
R815_SI3 "RC0805JR-07100RL" 0805R#2 192.151,256.286 r90 top value=100R (schematic designator R815)
R815_SI4 "RC0805JR-07100RL" 0805R#2 192.151,265.557 r90 top value=100R (schematic designator R815)
R815_SI5 "RC0805JR-07100RL" 0805R#2 192.151,274.828 r90 top value=100R (schematic designator R815)
R815_SI6 "RC0805JR-07100RL" 0805R#2 192.151,284.099 r90 top value=100R (schematic designator R815)
R816_SI1 "RC0805JR-071KL" 0805R#2 14.494,56.134 r180 bottom value=1K (schematic designator R816)
R816_SI2 "RC0805JR-071KL" 0805R#2 165.989,247.015 r90 top value=1K (schematic designator R816)
R816_SI3 "RC0805JR-071KL" 0805R#2 165.989,256.286 r90 top value=1K (schematic designator R816)
R816_SI4 "RC0805JR-071KL" 0805R#2 165.989,265.557 r90 top value=1K (schematic designator R816)
R816_SI5 "RC0805JR-071KL" 0805R#2 165.989,274.828 r90 top value=1K (schematic designator R816)
R816_SI6 "RC0805JR-071KL" 0805R#2 165.989,284.099 r90 top value=1K (schematic designator R816)
R817_SI1 "RC0805JR-071KL" 0805R#2 14.494,58.42 r180 bottom value=1K (schematic designator R817)
R817_SI2 "RC0805JR-071KL" 0805R#2 116.713,246.507 r90 top value=1K (schematic designator R817)
R817_SI3 "RC0805JR-071KL" 0805R#2 139.827,256.286 r90 top value=1K (schematic designator R817)
R817_SI4 "RC0805JR-071KL" 0805R#2 139.827,265.557 r90 top value=1K (schematic designator R817)
R817_SI5 "RC0805JR-071KL" 0805R#2 139.827,274.828 r90 top value=1K (schematic designator R817)
R817_SI6 "RC0805JR-071KL" 0805R#2 139.827,284.099 r90 top value=1K (schematic designator R817)
R818_SI1 "RC0805JR-07100RL" 0805R#2 14.494,60.706 r180 bottom value=100R (schematic designator R818)
R818_SI2 "RC0805JR-07100RL" 0805R#2 140.97,228.219 r90 top value=100R (schematic designator R818)
R818_SI3 "RC0805JR-07100RL" 0805R#2 164.084,237.998 r90 top value=100R (schematic designator R818)
R818_SI4 "RC0805JR-07100RL" 0805R#2 164.084,247.269 r90 top value=100R (schematic designator R818)
R818_SI5 "RC0805JR-07100RL" 0805R#2 164.084,256.54 r90 top value=100R (schematic designator R818)
R818_SI6 "RC0805JR-07100RL" 0805R#2 164.084,265.811 r90 top value=100R (schematic designator R818)
R819_SI1 "RC0805JR-07470RL" 0805R#2 10.414,30.734 r180 top value=470 (schematic designator R819)
R819_SI2 "RC0805JR-07470RL" 0805R#2 10.414,33.147 r180 top value=470 (schematic designator R819)
R819_SI3 "RC0805JR-07470RL" 0805R#2 10.414,18.669 r180 top value=470 (schematic designator R819)
R819_SI4 "RC0805JR-07470RL" 0805R#2 10.414,21.082 r180 top value=470 (schematic designator R819)
R819_SI5 "RC0805JR-07470RL" 0805R#2 10.287,9.779 r180 top value=470 (schematic designator R819)
R819_SI6 "RC0805JR-07470RL" 0805R#2 10.287,12.319 r180 top value=470 (schematic designator R819)
U1 "STC8H8K64U_QFN64" LQFP64S(12x12) 33.652,34.356 r45 top (schematic designator U201)
U301 "A05_S-1WR3" A_S-1WR3 3.175,80.772 r270 bottom
U302 "A05_S-1WR3" A_S-1WR3 12.446,80.772 r270 bottom
U303 "WRB_ST(SD)-3WR2" WRB_SD-3WR2 28.194,87.757 r0 bottom
U304 "A05_S-1WR3" A_S-1WR3 21.59,80.772 r270 bottom locked
U305 "A05_S-1WR3" A_S-1WR3 30.734,80.772 r270 bottom
U306 "LM1117IMP" SOT-223 42.813,89.154 r90 top
U307 "A05_S-1WR3" A_S-1WR3 39.878,80.772 r270 bottom
U308 "A05_S-1WR3" A_S-1WR3 49.149,80.772 r270 bottom
U309 "B0505ST16-W5" SOP16-1.27(V2) 59.026,98.425 r0 top
U310 "HCPL063A" SOIC-8 63.754,86.106 r180 top
U311 "TLP293-4" SO-16 62.809,69.215 r0 top
U312 "TLP293-4" SO-16 62.809,80.264 r0 top
U401 "ADM2582E" SOIC-20-W 54.078,51.562 r180 top
U501 "TPS61040DBV" sot-23-5 250.825,19.685 r0 top
U503 "TPS61040DBV" sot-23-5 112.903,19.685 r0 top
U601_VI1 "ADuM262N" SOIC-16(RI-16-2) 335.534,-334.01 r0 top (schematic designator U601)
U601_VI2 "ADuM262N" SOIC-16(RI-16-2) 354.076,-314.071 r0 top (schematic designator U601)
U601_VI3 "ADuM262N" SOIC-16(RI-16-2) 346.685,-295.275 r0 top (schematic designator U601)
U601_VI4 "ADuM262N" SOIC-16(RI-16-2) 438.531,-179.578 r0 top (schematic designator U601)
U601_VI5 "ADuM262N" SOIC-16(RI-16-2) 395.097,-262.382 r0 top (schematic designator U601)
U601_VI6 "ADuM262N" SOIC-16(RI-16-2) 412.496,-227.33 r0 top (schematic designator U601)
U602_VI1 "ADuM262N" SOIC-16(RI-16-2) 349.504,-334.01 r0 top (schematic designator U602)
U602_VI2 "ADuM262N" SOIC-16(RI-16-2) 368.046,-314.071 r0 top (schematic designator U602)
U602_VI3 "ADuM262N" SOIC-16(RI-16-2) 360.655,-295.275 r0 top (schematic designator U602)
U602_VI4 "ADuM262N" SOIC-16(RI-16-2) 452.603,-180.086 r0 top (schematic designator U602)
U602_VI5 "ADuM262N" SOIC-16(RI-16-2) 409.067,-262.382 r0 top (schematic designator U602)
U602_VI6 "ADuM262N" SOIC-16(RI-16-2) 426.466,-227.33 r0 top (schematic designator U602)
U603_VI1 "AD5753" CP-40-15(QFN40) 169.291,-330.962 r90 top (schematic designator U603)
U603_VI2 "AD5753" CP-40-15(QFN40) 181.229,-311.023 r90 top (schematic designator U603)
U603_VI3 "AD5753" CP-40-15(QFN40) 173.838,-292.227 r90 top (schematic designator U603)
U603_VI4 "AD5753" CP-40-15(QFN40) 265.786,-177.038 r90 top (schematic designator U603)
U603_VI5 "AD5753" CP-40-15(QFN40) 222.25,-259.334 r90 top (schematic designator U603)
U603_VI6 "AD5753" CP-40-15(QFN40) 239.649,-224.282 r90 top (schematic designator U603)
U604_VI1 "TL431" SOT-23-3 -158.623,-330.073 r90 top (schematic designator U604)
U604_VI2 "TL431" SOT-23-3 -159.893,-310.134 r90 top (schematic designator U604)
U604_VI3 "TL431" SOT-23-3 -167.284,-291.338 r90 top (schematic designator U604)
U604_VI4 "TL431" SOT-23-3 -75.336,-176.149 r90 top (schematic designator U604)
U604_VI5 "TL431" SOT-23-3 -118.872,-258.445 r90 top (schematic designator U604)
U604_VI6 "TL431" SOT-23-3 -101.473,-223.393 r90 top (schematic designator U604)
U605_VI1 "DAC8742H" S-PQFP-G32 -446.278,-331.597 r0 top (schematic designator U605)
U605_VI2 "DAC8742H" S-PQFP-G32 -459.232,-311.658 r0 top (schematic designator U605)
U605_VI3 "DAC8742H" S-PQFP-G32 -466.623,-292.862 r0 top (schematic designator U605)
U605_VI4 "DAC8742H" S-PQFP-G32 -374.675,-177.673 r0 top (schematic designator U605)
U605_VI5 "DAC8742H" S-PQFP-G32 -418.211,-259.969 r0 top (schematic designator U605)
U605_VI6 "DAC8742H" S-PQFP-G32 -400.812,-224.917 r0 top (schematic designator U605)
U701 "AD7124-8" TI-RHB32-3150X3150TP_V 39.37,18.288 r135 bottom
U702 "ADuM260N" SOIC-16 56.261,32.637 r270 bottom
U703 "ADuM260N" SOIC-16 56.261,48.893 r270 bottom
U704 "ADuM241D" SOIC-16 56.261,16.256 r270 bottom